# Altium PCB spd150.PcbDoc (part 5 of 15) (continued)
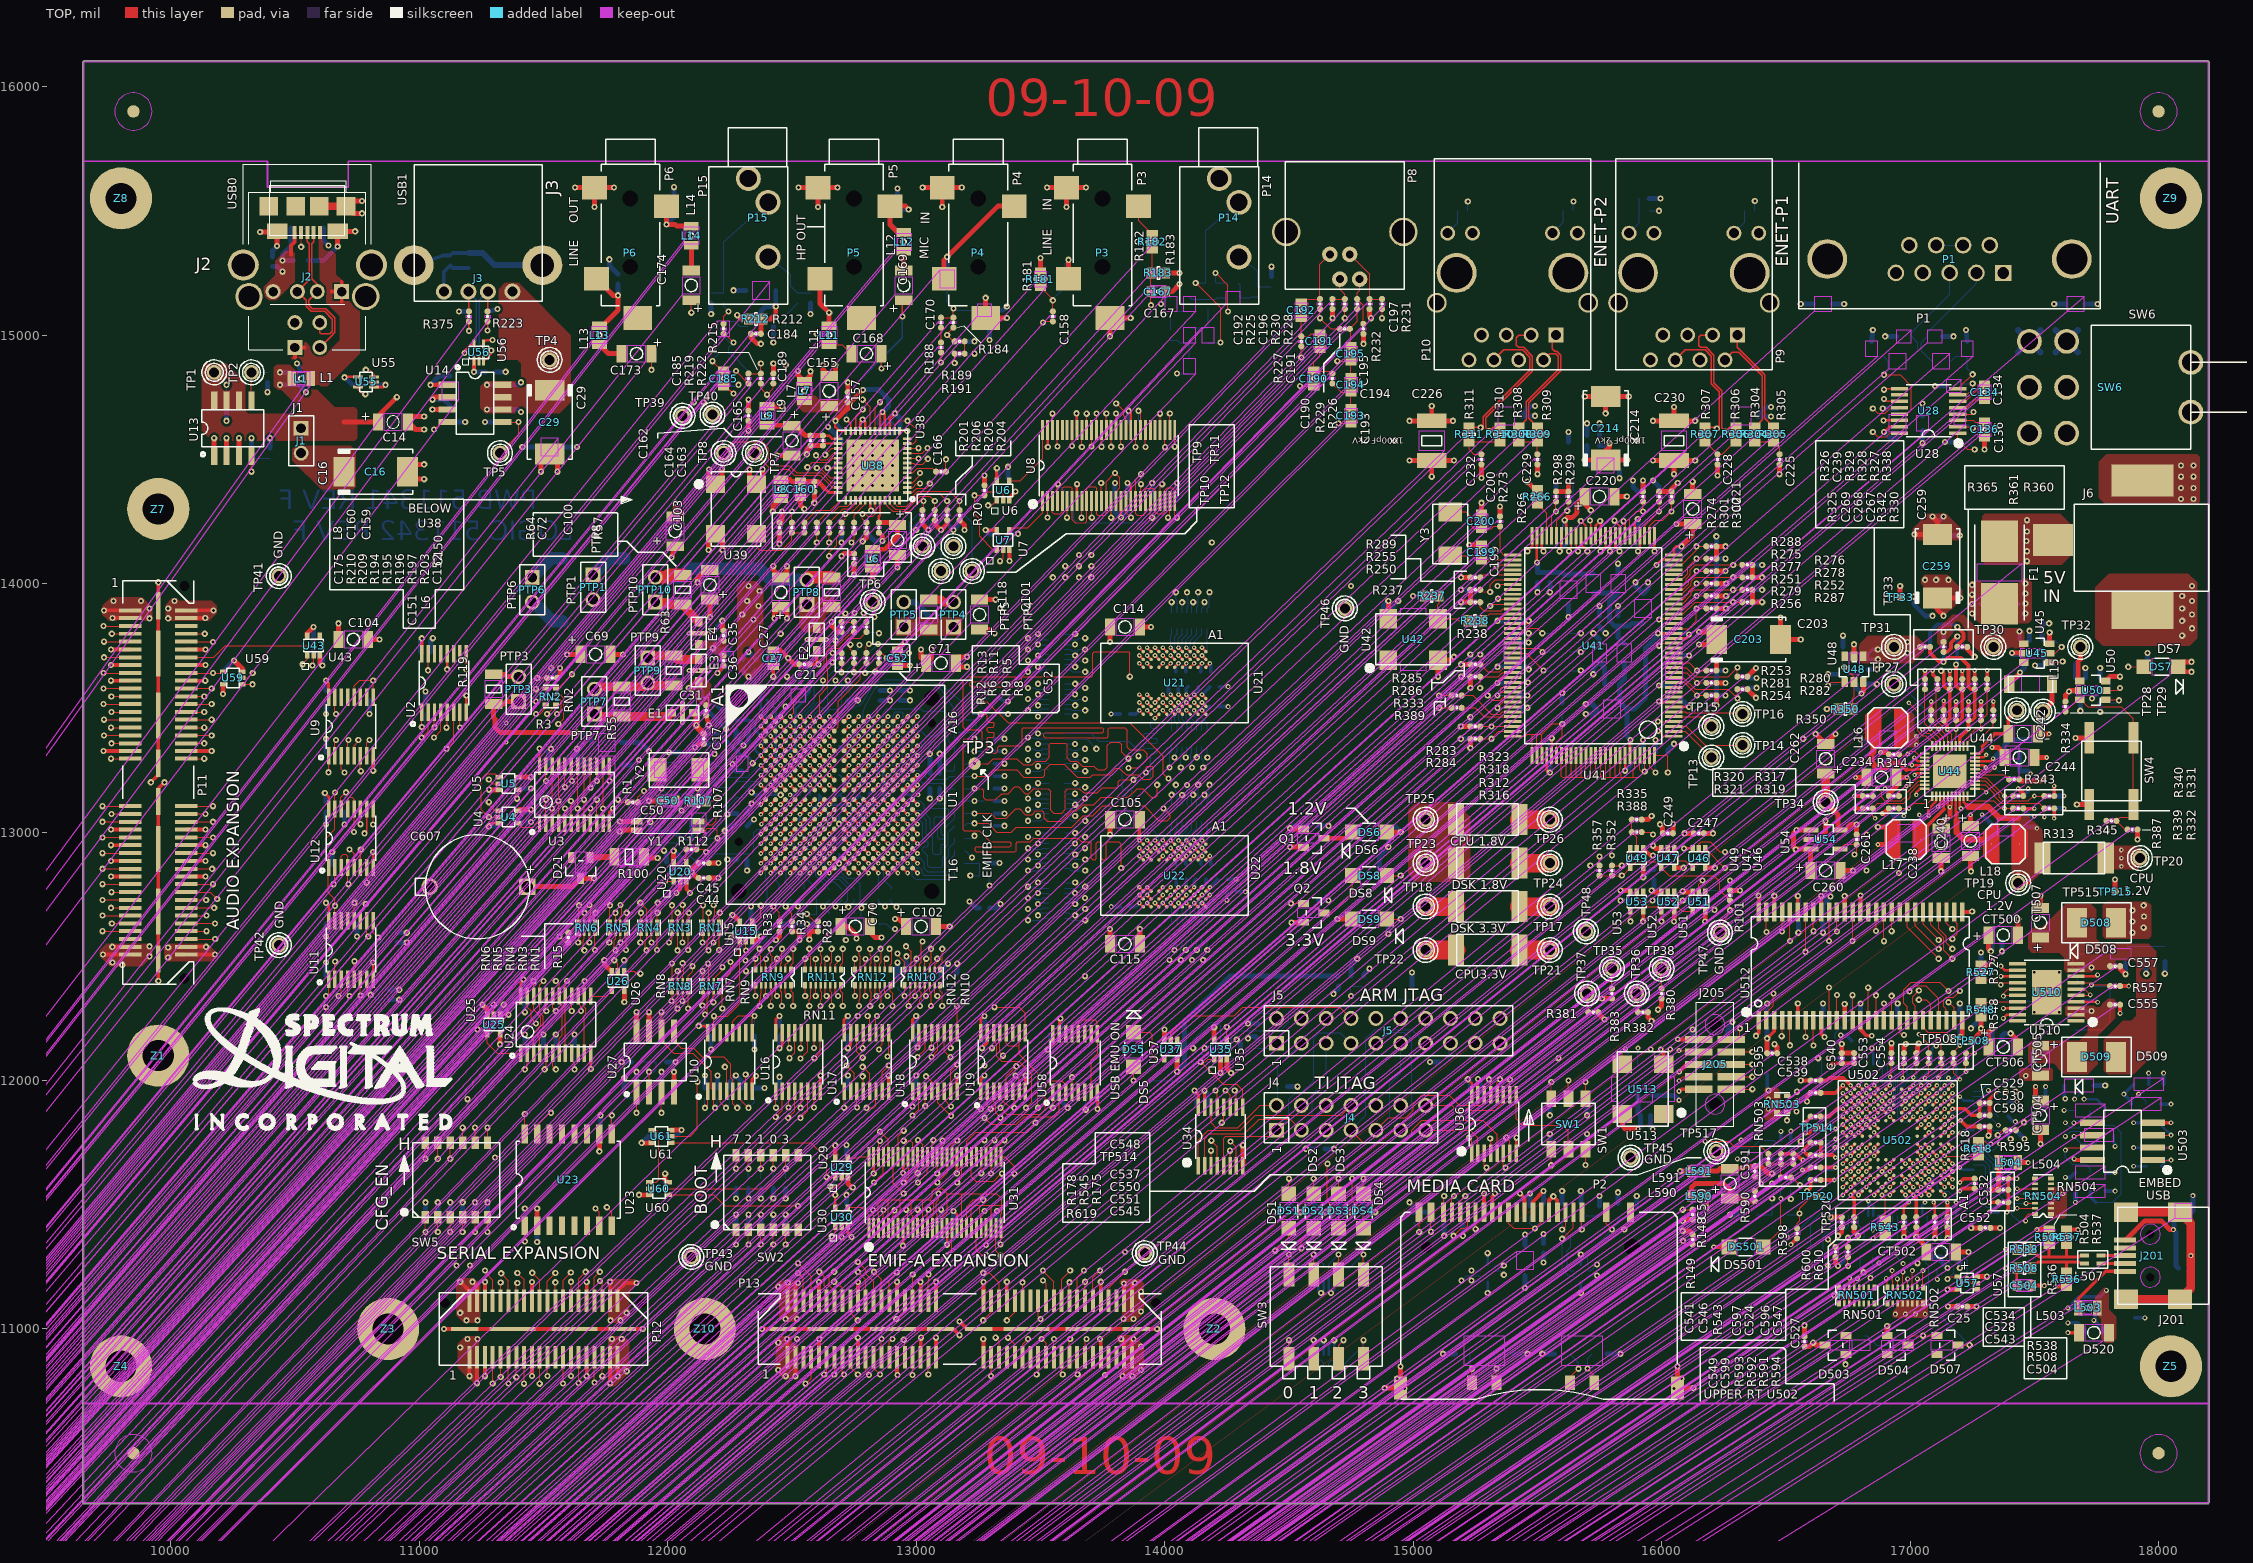
[diagram p0: TOP view]
## Nets (pads, with @x,y where several pads share a name; then routed paths per layer and width w, separated by ;. In a path a pad name is that pad's centre, name@x,y a point inside that pad or via, vN(x,y) a via of type N, cw(c..) or ccw(c..) an arc to the next point about the centre after c; other vN are vias at no path point) (continued)
  TOP w20: v1(10210,13555) U59.5@10211,13594.4 ; U43.5@10549.4,13789 10549.4,13799.4 v1(10575,13825) ; C104.1@10675,13775 v1(10675,13840) ; v1(11325.6,12145.6) U25.5@11325.6,12186 ; U4.5@11399,13085.6 11403.4,13090 v1(11450,13090) ; U5.5@11399,13220.6 v1(11450,13220.6) ; U23.2@11475,11415 v1(11475,11485) ; v1(11825.6,12315.6) U26.5@11825.6,12361 ; U27.8@11875,12196.5 v1(11875,12275) ; v1(11895.6,11749.4) U61.5@11936,11749.4 ; v1(11990,11625) 11990,11600.6 12000,11590.6 U60.5@12004,11590.6 ; U20.5@12024.4,12879 v1(12024.4,12924.4) ; v1(12166.5,14459.5) 12166.5,14426 U39.1@12192.5,14400 12195,14400 12219,14424 v1(12219,14461) ; v1(12260,12666) 12261,12665 12265,12665 12289.4,12640.6 U15.5@12289.4,12639 ; C165.1@12325,14695 v1(12325,14740) ; v1(12329.5,14459.5) 12329.5,14428 U39.4@12357.5,14400 12382,14424.5 v1(12382,14460) ; L9.2@12400,14713 v1(12460,14713) ; v1(12450,14160) C175.1@12450,14205 ; v1(12525,14855) 12525,14838 L7.2@12550,14813 12575,14838 v1(12575,14854) ; v1(12660,13845) 12660,13830 12685,13805 R13.1@12700,13805 ; U29.5@12674.4,11689 v1(12674.4,11739.4) ; v1(12750,14035) C151.1@12750,14080 ; v1(12785,14170) 12800,14185 R203.1@12800,14205 ; v1(12825,14015) L6.1@12825,14062 ; R201.1@13025,14255 13025,14240 v1(13050,14215) ; C115.1@13780.1,12550 v1(13780.1,12610) ; v1(13780.1,12990) C105.1@13780.1,13050 ; v1(13780.1,13765) C114.1@13780.1,13825 ; v1(14050.6,12035.6) U37.5@14050.6,12086 ; U35.5@14199.4,12164 v1(14199.4,12214.4) ; U42.4@14900,13858 v1(14900,13930) ; R273.1@15350,14270 v1(15350,14310) ; v1(16085,11395) 16110,11395 R149.1@16125,11380 ; v1(16085,11435) 16090,11440 R148.1@16125,11440 ; v1(16150,13755) 16202,13755 C203.1@16222,13775 16192,13805 v1(16150,13805) ; R101.1@16275,12765 v1(16315,12765) ; C595.1@16425,12110 v1(16425,12170) ; v1(16680,11450) C541.1@16725,11450 ; R600.2@16700,11290 16700,11264 v1(16710,11254) ; U512.43@16737,12678 v1(16737,12742) ; D504.1@16908,10973 v1(16908,11012) ; v1(17150.6,11159.4) U57.5@17191,11159.4 ; v1(17153,11090) C25.1@17190,11090 ; CT502.1@17185,11310 v1(17235,11310) ; v1(17202,12175) 17209.5,12182.5 U512.27@17209.5,12242 ; v1(17246,11407) C552.1@17283,11407 ; L504.1@17433,11670 v3(17475,11670)
  TOP w75: TP18.1@15050,12700 R312.2@15172.5,12700
  LYR6-PLN w10: 14610,11800 J4.5@14650,11800 ; 14650,11760 J4.5@14650,11800 ; 14650,11840 J4.5@14650,11800 ; 14690,11800 J4.5@14650,11800
  LYR6-PLN w15: 15199,15410 P10.11@15239,15410 ; 15239,15370 P10.11@15239,15410 ; 15239,15450 P10.11@15239,15410 ; 15279,15410 P10.11@15239,15410 ; 15621,15410 P10.9@15661,15410 ; 15661,15370 P10.9@15661,15410 ; 15661,15450 P10.9@15661,15410 ; 15701,15410 P10.9@15661,15410 ; 15929,15410 P9.11@15969,15410 ; 15969,15370 P9.11@15969,15410 ; 15969,15450 P9.11@15969,15410 ; 16009,15410 P9.11@15969,15410 ; 16351,15410 P9.9@16391,15410 ; 16391,15370 P9.9@16391,15410 ; 16391,15450 P9.9@16391,15410 ; 16431,15410 P9.9@16391,15410
  LYR6-PLN w25: 15010,12700 TP18.1@15050,12700 ; 15050,12660 TP18.1@15050,12700 ; 15050,12740 TP18.1@15050,12700 ; 15090,12700 TP18.1@15050,12700
  BOTTOM w10: C2.1@11480,13275 11484.2,13279.2 v1(11484.2,13335.8) ; v1(12674.4,11539.4) 12674.4,11505.6 C138.1@12680,11500 ; RN23.1@14617.6,10895.5 14617.6,10932.6 v1(14640,10955) 14640.2,10954.8 RN23.2@14640.2,10895.5 ; RN23.3@14659.8,10895.5 14659.8,10932.4 v1(14682.4,10955) RN23.4@14682.4,10895.5 ; U33.10@15300,11259 v1(15300,11305) ; U32.10@15675,11259 v1(15675,11300) ; U511.82@16645,11641.8 16691.8,11641.8 v2(16700,11650) ; C602.1@16650,12215 16650,12180 v1(16655,12175) ; v4(16845,12130) 16845,12116.5 16851.5,12110 U511.8@16851.5,12065 ; U511.58@17048.5,11455 17048.5,11498.5 v2(17060,11510) ; U511.20@17087.9,12065 17087.9,12127.9 17100,12140 v4(17105,12140) ; v2(17155,12010) 17175,12010 17186.4,12021.4 U511.25@17186.4,12065 ; v2(17200,11650) 17208.2,11641.8 U511.44@17255,11641.8
  BOTTOM w15: R624.1@13315,13025 v1(13355,13025) ; R630.1@13315,13075 v1(13355,13075) ; R626.1@13315,13125 v1(13355,13125) ; R623.1@13315,13175 v1(13355,13175) ; R621.1@13315,13225 v1(13355,13225) ; R622.1@13315,13275 v1(13355,13275) ; R627.1@13315,13325 v1(13355,13325) ; R628.1@13315,13375 v1(13355,13375) ; R629.1@13335,13490 13355,13475 v1(13370,13475) ; R625.1@13335,13540 13355,13525 v1(13370,13525) ; C109.1@13860.1,12700 13883.5,12700 v2(13898.3,12714.8) ; C120.1@13860.1,13475 13883.5,13475 v2(13898.3,13489.8) ; C116.1@14015.1,13585 14015.1,13562 v2(14024.3,13552.8) ; C119.1@14046.6,12810 14046.6,12787 v2(14055.8,12777.8) ; C113.1@14085.1,12870 14085.1,12901.6 v2(14087.3,12903.8) ; C118.1@14085.1,13645 14085.1,13676.6 v2(14087.3,13678.8) ; v2(14087.3,13552.8) 14087.3,13577.2 C110.1@14095.1,13585 ; v2(14118.8,12777.8) 14120,12779 14120,12803.4 C108.1@14126.6,12810 ; C106.1@14145.1,12870 14145.1,12898.6 v2(14150.3,12903.8) ; C111.1@14145.1,13645 14145.1,13673.6 v2(14150.3,13678.8) ; v2(14150.3,13489.8) 14164.9,13489.8 C117.1@14180.1,13505 ; v2(14150.3,13552.8) 14180.1,13582.6 C121.1@14180.1,13585 ; v2(14181.8,12777.8) 14211.6,12807.6 C107.1@14211.6,12810 ; v3(14250.1,12725) C112.1@14250.1,12760 ; TP513.1@16425,12025 16425,11965 v1(16430,11960) ; v3(16505,11370) R597.2@16505,11405 ; v4(16721.7,12182.7) 16742.3,12182.7 R614.1@16765,12160 ; C600.1@16800,12215 16800,12205 16825,12180 v4(16845,12180) ; R616.1@17395,11855 17415,11835 v3(17424,11835) ; R615.1@17395,11915 v3(17430,11915) ; JP504.1@17620,11980 17620,11931 v4(17625,11926) ; JP501.1@17785,11555 v3(17825,11555) ; JP505.1@17785,11630 v3(17825,11630) ; R550.1@17845,12380 v3(17880,12380) ; v3(17900,11830) JP510.1@17950,11830 ; JP503.1@18010,11905 v3(18050,11905) ; JP502.1@18020,11985 v3(18020,12030)
  BOTTOM w20: v1(10210,13555) C266.1@10210,13600 ; v1(10390,14770) R53.1@10390,14810 ; R54.1@10400,14545 v1(10400,14585) ; C233.1@10575,13770 v1(10575,13825) ; R59.1@10615,15430 10615,15380 v1(10635,15360) ; R37.1@10880,12325 v1(10920,12325) ; R35.1@10910,12555 v1(10950,12555) ; R376.1@11025,11470 v1(11025,11510) ; R377.1@11075,11470 v1(11075,11510) ; R378.1@11125,11470 v1(11125,11510) ; R379.1@11175,11470 v1(11175,11510) ; R385.1@11225,11470 v1(11225,11510) ; v1(11265,14650) R61.1@11305,14650 ; R386.1@11275,11470 v1(11275,11510) ; C124.1@11325,12205 11325.6,12204.4 v1(11325.6,12145.6) ; C3.1@11410,13080 11440,13080 v1(11450,13090) ; C4.1@11410,13215 11415.6,13220.6 v1(11450,13220.6) ; v1(11420,12407) 11420,12405 11425,12400 C123.1@11425,12370 ; R131.1@11425,11445 v1(11425,11485) ; R133.2@11425,12145 v1(11425,12185) ; C122.1@11475,11445 v1(11475,11485) ; R134.2@11500,12145 v1(11500,12185) ; v1(11530,13660) 11530,13655 11555,13630 R2.1@11555,13620 ; R135.2@11550,12145 v1(11550,12185) ; R136.2@11625,12145 v1(11625,12185) ; R132.1@11730,11800 v1(11730,11860) ; C125.1@11825,12380 11825.6,12379.4 v1(11825.6,12315.6) ; R138.1@11875,11970 v1(11875,12035) ; v1(11875,12275) 11875,12230 C126.2@11880,12225 ; v1(11895.6,11749.4) 11921.2,11775 C274.1@11955,11775 ; R140.1@11975,11970 v1(11975,12035) ; C273.1@11990,11565 v1(11990,11625) ; R139.1@11995,12075 v1(12032,12075) ; v1(12024.4,12924.4) 12050,12898.8 C51.1@12050,12860 ; R42.1@12200,11970 v1(12200,12020) ; R43.1@12250,11970 12250,11995 12274.2,12019.2 v1(12274.2,12020) 12300,11994.2 R40.1@12300,11970 ; v1(12260,12666) 12263,12666 12284,12645 C39.1@12295,12645 ; R121.1@12275,11420 v1(12275,11460) ; R122.1@12325,11420 v1(12325,11460) ; R41.1@12350,11970 v1(12390,11970) ; R123.1@12375,11420 v1(12375,11460) ; R125.1@12425,11420 v1(12425,11460) ; R25.1@12450,12630 R26.1@12500,12630 v1(12560,12630) R24.1@12600,12630 ; R126.2@12475,11420 v1(12475,11460) ; v1(12650,12590) R65.1@12650,12630 ; v1(12674.4,11739.4) 12674.4,11705.6 C137.1@12680,11700 ; v1(13050,14215) 13050,14225 13075,14250 R200.1@13075,14255 ; C139.1@13100,11380 13100,11363.4 v1(13124.2,11339.2) 13150,11365 C140.1@13150,11380 ; R199.1@13125,14255 13125,14240 v1(13150,14215) 13175,14240 R198.1@13175,14255 ; v1(13280,14215) 13295,14200 C5.1@13330,14200 ; v1(13324.4,14464.4) 13330,14458.8 C6.1@13330,14425 ; C7.1@13800,14305 13800,14290 v1(13824.2,14265.8) 13850,14291.6 C8.1@13850,14305 ; v1(14050.6,12035.6) 14080,12065 14080,12237.6 14262.4,12420 C148.1@14700,12420 ; v1(14120,11960) 14130,11950 C143.1@14130,11900 ; v1(14199.4,12214.4) 14199.4,12170.6 C145.1@14200,12170 ; v1(14335,12170) 14338.5,12170 14344.7,12176.2 14365.4,12176.2 14371.6,12170 R177.2@14375,12170 ; v1(14335,12230) R176.2@14375,12230 ; R144.1@14500,11505 14535,11470 v1(14547.5,11470) ; R145.1@14600,11505 14635,11470 v1(14647.5,11470) ; C146.1@14645,11725 v1(14682,11725) ; R146.1@14700,11505 14735,11470 v1(14747.5,11470) ; R174.2@14750,12420 14750,12465 v1(14775,12490) ; R147.1@14800,11505 14835,11470 v1(14847.5,11470) ; C198.1@14880,13875 14880,13910 v1(14900,13930) ; v1(14985,11510) 15000,11495 R168.2@15000,11470 R167.2@15050,11470 ; R173.1@14995,12375 v1(14995,12435) ; v1(15068,12075) R179.2@15105,12075 ; v1(15120,10900) R163.1@15170,10900 ; v1(15125,11375) R158.1@15125,11420 ; v1(15192,13375) R268.1@15230,13375 ; v1(15193,13625) R270.1@15230,13625 ; v1(15193,13975) R248.1@15230,13975 ; v1(15200,11375) R159.1@15200,11420 ; v1(15220,12005) 15230,11995 C147.1@15230,11950 ; R267.1@15230,13425 v1(15230,13462) ; R269.1@15230,13675 v1(15230,13715) ; R162.1@15405,10900 v1(15460,10900) ; R236.1@15420,13500 v1(15460.5,13500) ; C141.1@15450,11335 v1(15450,11380) ; v1(15520,10900) R161.1@15570,10900 ; C142.2@15525,11345 v1(15525,11382) ; R156.1@15525,11505 v1(15525,11555) ; R110.1@15550,11745 v1(15550,11785) ; v1(15550,11860) R111.1@15550,11905 ; R294.1@15575,14370 v1(15575,14410) ; R157.1@15600,11505 v1(15600,11555) ; R292.2@15600,13520 v1(15600,13560) ; R295.1@15625,14570 v1(15625,14610) ; R155.1@15675,11505 v1(15675,11555) ; v1(15725,13800) 15750,13775 L19.1@15750,13758 ; C207.1@15750,13830 15750,13825 v1(15775,13800) ; R160.1@15780,10900 v1(15835,10900) ; L21.1@15813,14475 15830,14458 v1(15830,14424) ; R154.1@15825,11505 v1(15825,11550) ; v1(15885,14415) 15885,14390 15905,14370 R257.1@15925,14370 ; L592.2@15965,11940 16050,11940 v4(16070,11920) ; v1(15965,14415) 15990,14390 R297.1@15990,14370 R296.1@16040,14370 ; R514.1@16125,12155 v1(16125,12205) ; v1(16220,13860) R249.1@16220,13900 R262.1@16220,13950 R244.1@16220,14000 R260.1@16220,14050 R258.1@16220,14100 ; v1(16220,14190) R272.1@16220,14150 R258.1@16220,14100 ; v1(16257,13550) R247.1@16220,13550 R264.1@16220,13600 R246.1@16220,13650 v1(16257,13650) ; v1(16257,14100) R258.1@16220,14100 ; v1(16275,11460) R172.1@16320,11460 ; R265.1@16345,13575 16350.6,13580.6 v1(16381.6,13580.6) ; R263.1@16345,13625 16350,13620 16379.7,13620 16380,13619.7 v1(16381.7,13619.7) ; R271.1@16365,13925 R245.1@16365,13975 v1(16405,13975) ; R261.1@16365,14025 R259.1@16365,14075 v1(16405,14075) ; v1(16425,12170) C603.1@16425,12215 ; v1(16548,12743) 16550,12741 C605.1@16550,12705 ; C604.1@16650,12680 16650,12710 v1(16680,12740) ; v1(16710,11254) 16746,11290 R601.2@16750,11290 ; v1(16895,14610) 16920,14585 C128.1@16950,14585 ; R613.2@16950,12255 v1(16950,12310) ; v1(17050,14565) C127.1@17050,14615 ; R602.2@17175,11290 17200,11265 v1(17200,11245) ; C601.1@17200,12215 17200,12177 v1(17202,12175) ; R355.1@17765,13620 v1(17765,13660) ; v1(18025,12430) R554.1@18025,12480
  other v3: 16941,11060 16981,11060 17021,11060 17061,11060 17615,11545 16430,11885 16430,11925
DSK_3V3_SYS_OKAY: R353.1 R360.1 R362.1 TP32.1 U49.1 U50.1 | length 3091.6
  TOP w15: U49.1@15925.6,12934 15926,12934 15955,12905 v1(15965,12905)
  TOP w20: R360.1@17230,13745 17230,13735 v1(17260,13705) ; U50.1@17683,13607.4 17675,13615.4 17675,13685 17685,13695 TP32.1@17685,13745
  LYR3-SIG w20: v1(15965,12905) 16190,12905 16250,12965 16290,12965 16375,12880 16875,12880 16920,12835 v1(16955,12835)
  LYR4-SIG w20: v1(16955,12835) 17025,12835 17100,12910 17100,13081.3 17088.3,13093 17088.3,13113.4 17260,13285.1 17260,13602 17235,13627 17235,13680 v1(17260,13705) 17260,13755 17310,13805 17380,13805 17410,13775 17655,13775 TP32.1@17685,13745
  BOTTOM w20: R362.1@17230,13745 17230,13735 v1(17260,13705) ; R353.1@17665,13620 17665,13675 17685,13695 TP32.1@17685,13745
DSP_EMU0: SW1.5 U1.J5 U36.4 | length 4153.3
  TOP w5: v1(15310,11767) 15312.2,11764.8 U36.4@15312.2,11707.4 ; SW1.5@15625,11927 v1(15625,12000)
  TOP w10: v2(12532.5,13110.6) U1.J5@12552.2,13130.3
  LYR3-SIG w5: v1(15310,11767) 15408,11865 15490,11865 v1(15625,12000)
  LYR4-SIG w4: v2(12532.5,13110.6) 12515,13093.1 12515,12865 12525,12855 13025,12855
  LYR4-SIG w5: 13025,12855 13095,12855 13175,12775 13175,12730 13220,12685 13260,12685 14075,11870 14265,11870 14430,11705 15248,11705 v1(15310,11767)
DSP_EMU1: SW1.2 U36.9 | length 400.5
  TOP w5: U36.9@15414.6,11942.6 15414.6,11845.4 15440,11820 15600,11820 15625,11795 SW1.2@15625,11723
DSP_RTCK: R112.1 U36.12 | length 4244.9
  TOP w5: R112.1@12115,12930 12145,12930 v1(12155,12920) ; U36.12@15337.8,11942.6 15337.8,11992.8 v1(15350,12005)
  LYR4-SIG w5: v1(12155,12920) 12155,12890 12205,12840 12285,12840 12395,12730 12919,12730 13009,12640 13145,12640 13365,12420 13365,12385 14110,11640 15245,11640 15280,11675 15330,11675 15395,11740 15395,11960 v1(15350,12005)
DSP_TCK: R107.1 R171.1 U1.H3 | length 2885.9
  TOP w5: R107.1@12155,13125 12185,13125 v1(12200,13140)
  TOP w10: v2(12453.7,13189.4) U1.H3@12473.4,13169.7
  LYR4-SIG w4: 12350,13180 12360,13170 12420,13170 12439.4,13189.4 v2(12453.7,13189.4) 12453.7,13181.3 12475,13160 12475,13140 12485,13130 12535.1,13130 12550,13115.1 12550,12905 12560,12895 13025,12895
  LYR4-SIG w5: v1(12200,13140) 12275,13140 12320,13185 12345,13185 12350,13180 ; 13025,12895 13085,12895 13850,12130 v1(14115,12130)
  BOTTOM w5: v1(14115,12130) 14115,12165 14185,12235 14210,12235 14225,12220 14225,12155 R171.1@14250,12130
DSP_TDI: U1.J2 U34.4 | length 2693.3
  TOP w5: v1(14188,11758) 14188,11757 14212.2,11732.8 U34.4@14212.2,11657.4
  TOP w10: v2(12414.3,13110.6) U1.J2@12434,13130.3
  LYR4-SIG w4: 12405.2,12815 12395,12825.2 12395,13091.3 v2(12414.3,13110.6)
  LYR4-SIG w5: 12405.2,12815 12455.2,12765 12929.7,12765 13014.7,12680 13155,12680 13555,12280 13555,12235 14032,11758 v1(14188,11758)
DSP_TDO: U1.J3 U36.7 | length 3868
  TOP w5: v1(15375,11770) 15389,11756 U36.7@15389,11707.4
  TOP w10: v2(12453.7,13110.6) U1.J3@12473.4,13130.3
  LYR4-SIG w4: 12440,12815 12435,12820 12435,13091.9 v2(12453.7,13110.6)
  LYR4-SIG w5: 12440,12815 12470,12785 12934.7,12785 13024.7,12695 13165,12695 13225,12635 13255,12635 13835,12055 13835,12000 14049.2,11785.8 14309.2,11785.8 14405,11690 15295,11690 v1(15375,11770)
DSP_TMS: U1.J1 U34.7 | length 2840.3
  TOP w5: v1(14265,11755) 14289,11731 U34.7@14289,11657.4
  TOP w10: v2(12374.9,13110.6) U1.J1@12394.6,13130.3
  LYR4-SIG w4: 12350,12837.7 12372.7,12815 ; 12350,13085.7 v2(12374.9,13110.6)
  LYR4-SIG w5: 12350,12837.7 12350,13005 12325,13030 12325,13060.7 12350,13085.7 ; 12372.7,12815 12442.7,12745 12930,12745 13015,12660 13150,12660 13450,12360 13450,12320 14032,11738 14248,11738 v1(14265,11755)
DSP_TRST#: U1.J4 U34.12 | length 2553.9
  TOP w5: v1(14230,11830) 14237.8,11837.8 U34.12@14237.8,11892.6
  TOP w10: v2(12493.1,13110.6) U1.J4@12512.8,13130.3
  LYR4-SIG w4: 12475,12825 12475,13092.5 v2(12493.1,13110.6)
  LYR4-SIG w5: 12475,12825 12495,12805 12939.7,12805 13037,12707.7 13177.3,12707.7 13225,12660 13260,12660 14090,11830 v1(14230,11830)
DVDD: C78.2 C79.2 C80.2 C81.2 C82.2 C83.2 C84.2 C85.2 C86.2 C87.2 C88.2 C89.2 C90.2 C91.2 C92.2 C93.2 C94.2 C95.2 C96.2 C97.2 C98.2 C99.2 C100.1 C101.1 C102.1 C103.1 PTP1.1 R115.1 U1.B16 U1.E5 U1.E8 U1.E9 U1.E12 U1.F5 U1.F11 U1.F12 U1.G5 U1.G12 U1.K5 U1.K12 U1.L5 U1.L11 U1.L12 U1.M5 U1.M8 U1.M9 U1.M12 U1.R1 U1.R16 | length 2109.6
  TOP w10: v2(12374.9,12874.2) U1.R1@12394.6,12893.9 ; v2(12532.5,12992.4) U1.M5@12552.2,13012.1 ; v2(12532.5,13031.8) U1.L5@12552.2,13051.5 ; v2(12532.5,13071.2) U1.K5@12552.2,13090.9 ; v2(12532.5,13228.8) U1.G5@12552.2,13209.1 ; v2(12532.5,13268.2) U1.F5@12552.2,13248.5 ; v2(12532.5,13307.6) U1.E5@12552.2,13287.9 ; v2(12650.7,12992.4) U1.M8@12670.4,13012.1 ; v2(12650.7,13307.6) U1.E8@12670.4,13287.9 ; U1.M9@12709.8,13012.1 v2(12729.5,12992.4) ; U1.E9@12709.8,13287.9 v2(12729.5,13307.6) ; U1.L11@12788.6,13051.5 v2(12808.3,13031.8) ; U1.F11@12788.6,13248.5 v2(12808.3,13268.2) ; U1.M12@12828,13012.1 v2(12847.7,12992.4) ; U1.L12@12828,13051.5 v2(12847.7,13031.8) ; U1.K12@12828,13090.9 v2(12847.7,13071.2) ; U1.G12@12828,13209.1 v2(12847.7,13228.8) ; U1.F12@12828,13248.5 v2(12847.7,13268.2) ; U1.E12@12828,13287.9 v2(12847.7,13307.6) ; U1.R16@12985.6,12893.9 v2(13005.3,12874.2) ; U1.B16@12985.6,13406.1 13002.3,13422.8 v2(13002.3,13425.8)
  TOP w20: v1(12015,14105) C103.1@12030,14150 ; v1(12430,13860) 12430,13880 C100.1@12455,13905 12480,13880 v1(12480,13860) ; v1(12915,12650) 12930,12650 C102.1@12960,12620 ; C101.1@13255,13815 13300,13815 v1(13315,13800)
  LYR9-PLN w25: 11660,14035 PTP1.1@11700,14035 ; 11700,13995 PTP1.1@11700,14035 ; 11700,14075 PTP1.1@11700,14035 ; 11740,14035 PTP1.1@11700,14035
  BOTTOM w10: C88.2@12415,13150 v1(12455,13150) ; v2(12532.5,13071.2) v2(12532.5,13031.8) 12552,13012.3 C96.2@12552,13012 12552,13011.9 v2(12532.5,12992.4) 12551.9,12973 C89.2@12552,12973 ; v2(12532.5,13268.2) 12532.5,13268.5 C97.2@12552,13288 ; v2(12532.5,13307.6) 12532.6,13307.6 C90.2@12552,13327 ; C86.2@12670,13012 12670,13011.7 v2(12650.7,12992.4) 12650.7,12989.3 C98.2@12690,12950 12729.5,12989.5 v2(12729.5,12992.4) 12710,13011.9 C83.2@12710,13012 ; C92.2@12690,13345 12692.1,13345 v2(12729.5,13307.6) ; v2(12808.3,13268.2) 12809.2,13268.2 C85.2@12829,13288 ; C91.2@12828,13328 12828,13327.3 v2(12847.7,13307.6) 12829,13288.9 C85.2@12829,13288 ; v2(12847.7,13228.8) v2(12847.7,13268.2) 12829,13286.9 C85.2@12829,13288
  BOTTOM w20: v1(12320,12845) C81.2@12320,12890 ; C94.2@12320,13025 12345,13050 v1(12348,13050) ; C99.2@12725,13530 v1(12765,13530) ; C79.2@12855,13530 v1(12895,13530) ; C78.2@12935,13530 v1(12975,13530) ; C84.2@13055,13235 C82.2@13055,13275 v1(13055,13315) ; v1(13215,12720) 13240,12695 C93.2@13255,12695
  BOTTOM w50: PTP1.1@11700,14035 11767.5,14102.5 R115.1@11825,14102.5
DX0: JP507.1 RN502.14 U502.E7 | length 1617.4
  TOP w5: v3(16948.9,11202.1) 16950.6,11200.4 RN502.14@16950.6,11167
  TOP w10: U502.E7@16965.8,11681.2 v2(16981.5,11665.4)
  LYR3-SIG w4: v2(16981.5,11665.4) 16991,11665.4 17038.5,11712.9 17252.9,11712.9 17255,11715
  LYR3-SIG w5: 17255,11715 17385,11715 17430,11760 17430,11770 17507.5,11847.5 17637.5,11847.5 17700,11910 v3(17700,11925)
  LYR4-SIG w4: 16877.5,11455 16877.5,11467.5 16935,11525 16935,11618.9 v2(16981.5,11665.4)
  LYR4-SIG w5: 16877.5,11455 16877.5,11352.5 16855,11330 16855,11225 16893.5,11186.5 16933.3,11186.5 v3(16948.9,11202.1)
  BOTTOM w10: v3(17700,11925) 17750,11925 17785,11890 JP507.1@17785,11880
ECLKIN: R543.2 RN504.16 U511.47 | length 1066.4
  TOP w5: v3(16852,11365) 16867,11380 R543.2@16900,11380 ; v3(17465,11435) 17465,11450 17478.4,11463.4 RN504.16@17503,11463.4
  LYR3-SIG w5: v3(16852,11365) 16885,11398 17195,11398 17208,11385 17415,11385 v3(17465,11435)
  BOTTOM w5: U511.47@17255,11582.7 17292.8,11582.7 17300.5,11575 17300.5,11551.9 17311.9,11540.5 17357.1,11540.5 17410,11487.6 17410,11460 17435,11435 v3(17465,11435)
EMIFA_A0: P13.55 RN9.11 | length 2680.9
  TOP w5: v1(12395.6,12340.6) RN9.11@12395.6,12383 ; v1(13485,10817) 13491,10823 P13.55@13491,10887
  LYR8-SIG w5: v1(12395.6,12340.6) 12395,12340 12395,12272.5 12505.5,12162 13157.2,12162 13235,12084.2 13235,12030 13360,11905 13360,11793.3 13335,11768.3 13335,11751.7 13365,11721.7 13365,11616.7 13293.3,11545 13266.7,11545 13250,11528.3 13250,10920 13353,10817 v1(13485,10817)
EMIFA_A1: RN9.12 U31.21 | length 1890.2
  TOP w5: v1(12415,12299.9) 12415.2,12325.2 12420,12330 12420,12355.2 12415.2,12360 RN9.12@12415.2,12383 ; U31.21@13202.9,11407 13202.9,11492.9 13230,11520 v1(13270,11520)
  LYR8-SIG w5: v1(12415,12299.9) 12415,12266.7 12508.7,12173 13163,12173 13241,12095 13275,12095 13375,11995 13375,11600 13295,11520 v1(13270,11520)
EMIFA_A2: RN9.13 U31.23 | length 2070.3
  TOP w5: RN9.13@12434.8,12383 12434.8,12345.2 v1(12440,12340) ; U31.23@13242.3,11407 13242.3,11317.7 13263,11297 v1(13282,11297)
  LYR8-SIG w5: v1(12440,12340) 12440,12291.7 12451.7,12280 12458.3,12280 12553.3,12185 13175,12185 13252.5,12107.5 13282.5,12107.5 13415,11975 13415,11465 13320,11370 13320,11335 v1(13282,11297)
EMIFA_A3: P13.62 RN9.14 | length 2948.3
  TOP w5: RN9.14@12454.4,12383 12454.4,12360 12460,12354.4 v1(12460,12300) ; P13.62@13585,11113 13585,11200 v1(13620,11235)
  LYR8-SIG w5: v1(12460,12300) 12460,12343.3 12556.7,12440 13360,12440 13805,11995 13805,11185 13765,11145 13631.7,11145 13597,11179.7 13597,11212 v1(13620,11235)
EMIFA_A4: P13.59 RN9.15 | length 2361
  TOP w5: RN9.15@12474,12383 12474,12351 v1(12485,12340) ; P13.59@13554,10887 13554,10959 v1(13555,10960)
  LYR8-SIG w5: v1(12485,12340) 12485,12291.7 12576.7,12200 13288.3,12200 13520,11968.3 13520,11877.5 13530,11867.5 13530,10985 v1(13555,10960)
EMIFA_A5: P13.64 RN9.16 | length 2691.3
  TOP w5: RN9.16@12496.6,12383 12496.6,12360 12505,12351.6 v1(12505,12300) ; P13.64@13617,11113 v1(13617,11188)
  LYR8-SIG w5: v1(12505,12300) 12505,12319.9 12610.1,12425 13355,12425 13790,11990 13790,11190 13755,11155 13650,11155 v1(13617,11188)
EMIFA_A6: P13.61 RN11.9 | length 2457.3
  TOP w5: v1(12553.4,12340) RN11.9@12553.4,12383 ; P13.61@13585,10887 13585,10822 v1(13590,10817)
  LYR8-SIG w5: v1(12553.4,12340) 12550,12336.6 12550,12291.7 12629.7,12212 13290.5,12212 13530,11972.5 13530,11881.7 13545,11866.7 13545,11020 13590,10975 v1(13590,10817)
EMIFA_A7: P13.66 RN11.10 | length 2651.1
  TOP w5: v1(12570,12300) 12570,12324.9 12575.6,12330.5 12575.6,12348.9 12576,12349.3 RN11.10@12576,12383 ; P13.66@13648,11113 13648,11208 v1(13675,11235)
  LYR8-SIG w5: v1(12570,12300) 12575,12305 12575,12348.3 12636.7,12410 13350,12410 13775,11985 13775,11193.7 13751.3,11170 13671.7,11170 13660,11181.7 13660,11220 v1(13675,11235)
EMIFA_A8: P13.63 RN11.11 | length 2299.4
  TOP w5: v1(12595.6,12340.6) RN11.11@12595.6,12383 ; P13.63@13617,10887 13617,10957 v1(13620,10960)
  LYR8-SIG w5: v1(12595.6,12340.6) 12595,12340 12595,12291.6 12661.6,12225 13291.7,12225 13558,11958.7 13558,11910.3 13570,11898.3 13570,11881.7 13560,11871.7 13560,11020 v1(13620,10960)
EMIFA_A9: P13.68 RN11.12 | length 2395.5
  TOP w5: v1(12615,12299.9) 12615.2,12325.2 12620,12330 12620,12355.2 12615.2,12360 RN11.12@12615.2,12383 ; P13.68@13680,11113 v1(13680,11190)
  LYR8-SIG w5: v1(12615,12299.9) 12620,12304.9 12620,12348.3 12666.7,12395 13347.1,12395 13760,11982.1 13760,11226.7 13743.3,11210 13700,11210 v1(13680,11190)
EMIFA_A10: P13.65 RN11.13 | length 2412.5
  TOP w5: RN11.13@12634.8,12383 12634.8,12345.2 v1(12640,12340) ; P13.65@13648,10887 13648,10819 v1(13650,10817)
  LYR8-SIG w5: v1(12640,12340) 12640,12291.7 12691.7,12240 13290.9,12240 13570,11960.9 13570,11912.5 13580,11902.5 13580,11877.5 13575,11872.5 13575,11128 13650,11053 v1(13650,10817)
EMIFA_A11: P13.70 RN11.14 | length 2278.2
  TOP w5: RN11.14@12654.4,12383 12654.4,12360 12660,12354.4 v1(12660,12300) ; P13.70@13711,11113 13711,11206 v1(13740,11235)
  LYR8-SIG w5: v1(12660,12300) 12660,12343.3 12696.7,12380 13342.9,12380 13740,11982.9 13740,11907.5 13749.6,11897.9 13749.6,11876.7 13740,11867.1 v1(13740,11235)
EMIFA_A12: P13.67 RN11.15 | length 2251.7
  TOP w5: RN11.15@12674,12383 12674,12351 v1(12685,12340) ; P13.67@13680,10887 13680,10955 v1(13685,10960)
  LYR8-SIG w5: v1(12685,12340) 12705.6,12360.6 13202.7,12360.6 13590,11973.3 13590,11873.3 13587,11870.3 13587,11168 13685,11070 v1(13685,10960)
EMIFA_BA0: P13.56 RN9.9 | length 2716.9
  TOP w5: v1(12353.4,12340) RN9.9@12353.4,12383 ; P13.56@13491,11113 13491,11049 v1(13500,11040)
  LYR4-SIG w5: v1(12353.4,12340) 12360,12340 12395,12305 12395,12200 12425,12170 12425,11930 12413,11918 12413,11812 12445,11780 12445,11300 12425,11280 12425,11161.7 12468.5,11118.2 12582.8,11118.2 12911,10790 12990,10790 13015,10815 13015,10860 13045,10890 13350,10890 v1(13500,11040)
EMIFA_BA1: P13.58 RN9.10 | length 3061.5
  TOP w5: v1(12370,12300) 12370,12324.9 12375.6,12330.5 12375.6,12348.9 12376,12349.3 RN9.10@12376,12383 ; v1(13510,11195) 13523,11182 P13.58@13523,11113
  LYR4-SIG w5: v1(12370,12300) 12370,12205 12415,12160 12415,11945 12403,11933 12403,11162 12470,11095 12570,11095 12835,10830 12835,10805 12865,10775 13005,10775 13029,10799 13029,10839.8 13049.2,10860 13505,10860 13575,10930 13575,11130 v1(13510,11195)
EMIFA_CLK: R78.2 U19.7 | length 1048.2
  TOP w5: v1(13400,12020) 13414,12006 U19.7@13414,11957.4
  LYR4-SIG w5: v1(12915,12610) 12940,12585 13095,12585 13430,12250 13430,12050 v1(13400,12020)
  BOTTOM w5: R78.2@12850,12630 12880,12630 12900,12610 v1(12915,12610)
EMIFA_CS0N: R69.2 U19.9 | length 1151.6
  TOP w5: v1(13315,12295) 13415,12295 13439.6,12270.4 U19.9@13439.6,12192.6
  LYR4-SIG w5: v1(12727,12699) 12727,12587 12740,12574 12740,12541.7 12727,12528.7 12727,12473 12765,12435 13175,12435 v1(13315,12295)
  BOTTOM w5: v1(12727,12699) 12750,12722 R69.2@12750,12730
EMIFA_CS2N: P13.49 U15.4 | length 2717.7
  TOP w5: U15.4@12340.6,12639 12359,12639 12375,12655 v1(12375,12703) ; v1(13370,10965) 13397,10938 P13.49@13397,10887
  LYR4-SIG w5: v1(12375,12703) 12392,12720 12485,12720 12505,12700 12505,12560 12530,12535 12530,12485 12625,12390 13120,12390 13195,12315 13195,11310.7 13259.7,11246 13278.3,11246 13320,11204.3 13320,11015 v1(13370,10965)
EMIFA_CS3N: R75.2 U58.4 | length 1609.1
  TOP w5: U58.4@13627.2,11952.4 v1(13627.2,12012.8)
  LYR3-SIG w5: v1(13275,12060) 13360,11975 13515,11975 13552.8,12012.8 v1(13627.2,12012.8)
  LYR4-SIG w5: v1(12675,12700) 12675,12560 12685,12550 12685,12518.3 12705,12498.3 12705,12470 12755,12420 13125,12420 13240,12305 13240,12095 v1(13275,12060)
  BOTTOM w5: v1(12675,12700) 12700,12725 R75.2@12700,12730
EMIFA_CS4N: R76.2 U31.25 | length 2638.4
  TOP w5: v1(13281.6,11338.4) U31.25@13281.6,11407
  LYR3-SIG w5: v1(13281.6,11338.4) 13305,11315 13835,11315 v1(13840,11310)
  LYR8-SIG w5: v1(13235,12985) 13286,12985 13370,12901 13370,12545 13820,12095 13820,11330 v1(13840,11310)
  BOTTOM w5: R76.2@13195,12975 13225,12975 v1(13235,12985)
EMIFA_CS5N: R77.2 U31.27 | length 2157.9
  TOP w5: U31.27@13321,11407 13320,11406 13320,11315 v1(13340,11295)
  LYR4-SIG w5: v1(12780,12695) 12780,12548.3 12790,12538.3 12790,12523.5 12820,12493.5 12820,12464.9 12839.9,12445 13205,12445 13375,12275 13375,12030 13237.5,11892.5 13237.5,11597.5 13300,11535 13300,11375 13310,11365 13310,11325 v1(13340,11295)
  BOTTOM w5: R77.2@12750,12630 12780,12660 v1(12780,12695)
EMIFA_D0: R67.2 R68.2 RN10.1 U31.2 | length 1120.7
  TOP w5: v1(12826,11479) 12826,11460 12829,11457 U31.2@12829,11407 ; v1(12953.4,12340) RN10.1@12953.4,12383
  LYR4-SIG w5: v1(12826,11479) 12826,11556 12885,11615 12885,11910 12915,11940 12915,12265 12930,12280 12930,12316.6 v1(12953.4,12340)
  BOTTOM w5: R67.2@12925,12375 12925,12368.4 v1(12953.4,12340) 12975,12361.6 R68.2@12975,12375
EMIFA_D1: RN10.2 U31.4 | length 1020.6
  TOP w5: U31.4@12868.4,11407 v1(12868.4,11478.4) ; v1(12970,12300) 12970,12324.9 12975.6,12330.5 12975.6,12348.9 12976,12349.3 RN10.2@12976,12383
  LYR4-SIG w5: v1(12868.4,11478.4) 12900,11510 12900,11890 12925,11915 12925,12255 v1(12970,12300)
EMIFA_D2: RN10.3 U31.6 | length 1012.4
  TOP w5: U31.6@12907.7,11407 12907.7,11472.7 v1(12912.7,11477.7) ; v1(12995.6,12340.6) RN10.3@12995.6,12383
  LYR4-SIG w5: v1(12912.7,11477.7) 12912.7,11847.7 12935,11870 12935,12235 12995,12295 12995,12340 v1(12995.6,12340.6)
EMIFA_D3: RN10.4 U31.9 | length 1042.9
  TOP w5: v1(12960,11480) 12966.8,11473.2 U31.9@12966.8,11407 ; v1(13015,12299.9) 13015.2,12325.2 13020,12330 13020,12355.2 13015.2,12360 RN10.4@13015.2,12383
  LYR4-SIG w5: v1(12960,11480) 12925,11515 12925,11830 12945,11850 12945,12170 13025,12250 13025,12275 13015,12285 v1(13015,12299.9)

## Text inside footprints (layer, text, board x,y; h text height)
R316: PIN_NUMBER "1" at 15415.5,12525 h30 r180; PIN_NUMBER "2" at 15160.5,12525 h30 r180; SYMB_DIM "65X125REC" at 15430,12802 h35.9 r180; SYMB_DIM "R2512-65x125" at 15456,12213 h35.9 r180
R317: PIN_NUMBER "2" at 16947,13145 h20; PIN_NUMBER "1" at 16907,13145 h20; ASSEMBLY_TOP "USERPART#" at 16935,12995 h25; ASSEMBLY_TOP "TOLERANCE" at 16935,13045 h25; ASSEMBLY_TOP "0" at 16935,13145 h25; SYMBOL_PART_DIM "0" at 16843,13132 h25; SYMBOL_PART_DIM "0" at 16927,13061 h25; SYMBOL_PART_DIM "C402-35X32" at 16812,13007 h25; SYMBOL_PART_DIM "PAD 35X32 OV" at 16812,12957 h25
R318: PIN_NUMBER "2" at 15415.5,12875 h30; PIN_NUMBER "1" at 15160.5,12875 h30; SYMB_DIM "65X125REC" at 15170,12598 h35.9; SYMB_DIM "R2512-65x125" at 15144,13187 h35.9
R319: PIN_NUMBER "2" at 16947,13095 h20; PIN_NUMBER "1" at 16907,13095 h20; ASSEMBLY_TOP "USERPART#" at 16935,12945 h25; ASSEMBLY_TOP "TOLERANCE" at 16935,12995 h25; ASSEMBLY_TOP "1K" at 16935,13095 h25; SYMBOL_PART_DIM "0" at 16843,13082 h25; SYMBOL_PART_DIM "0" at 16927,13011 h25; SYMBOL_PART_DIM "C402-35X32" at 16812,12957 h25; SYMBOL_PART_DIM "PAD 35X32 OV" at 16812,12907 h25
R320: PIN_NUMBER "2" at 16842,13145 h20; PIN_NUMBER "1" at 16802,13145 h20; ASSEMBLY_TOP "USERPART#" at 16830,12995 h25; ASSEMBLY_TOP "TOLERANCE" at 16830,13045 h25; ASSEMBLY_TOP "NO-POP" at 16830,13145 h25; SYMBOL_PART_DIM "0" at 16738,13132 h25; SYMBOL_PART_DIM "0" at 16822,13061 h25; SYMBOL_PART_DIM "C402-35X32" at 16707,13007 h25; SYMBOL_PART_DIM "PAD 35X32 OV" at 16707,12957 h25
R321: PIN_NUMBER "1" at 16802,13095 h20; PIN_NUMBER "2" at 16842,13095 h20; ASSEMBLY_TOP "USERPART#" at 16830,12945 h25; ASSEMBLY_TOP "TOLERANCE" at 16830,12995 h25; ASSEMBLY_TOP "NO-POP" at 16830,13095 h25; SYMBOL_PART_DIM "0" at 16738,13082 h25; SYMBOL_PART_DIM "0" at 16822,13011 h25; SYMBOL_PART_DIM "C402-35X32" at 16707,12957 h25; SYMBOL_PART_DIM "PAD 35X32 OV" at 16707,12907 h25
R322: PIN_NUMBER "2" at 16852,13140 h20 r270; PIN_NUMBER "1" at 16852,13100 h20 r270; ASSEMBLY_BOTTOM "USERPART#" at 16710,13120 h25 r270; ASSEMBLY_BOTTOM "TOLERANCE" at 16760,13120 h25 r270; ASSEMBLY_BOTTOM "NO-POP" at 16860,13120 h25 r270; SYMBOL_PART_DIM "0" at 16847,13028 h25 r270; SYMBOL_PART_DIM "0" at 16776,13112 h25 r270; SYMBOL_PART_DIM "C402-35X32" at 16722,12997 h25 r270; SYMBOL_PART_DIM "PAD 35X32 OV" at 16672,12997 h25 r270
R323: PIN_NUMBER "2" at 15415.5,13050 h30; PIN_NUMBER "1" at 15160.5,13050 h30; SYMB_DIM "65X125REC" at 15170,12773 h35.9; SYMB_DIM "R2512-65x125" at 15144,13362 h35.9
R324: PIN_NUMBER "2" at 16907,13095 h20; PIN_NUMBER "1" at 16947,13095 h20; ASSEMBLY_BOTTOM "USERPART#" at 16935,12945 h25; ASSEMBLY_BOTTOM "TOLERANCE" at 16935,12995 h25; ASSEMBLY_BOTTOM "NO-POP" at 16935,13095 h25; SYMBOL_PART_DIM "0" at 17027,13082 h25; SYMBOL_PART_DIM "0" at 16943,13011 h25; SYMBOL_PART_DIM "C402-35X32" at 17058,12957 h25; SYMBOL_PART_DIM "PAD 35X32 OV" at 17058,12907 h25
R325: PIN_NUMBER "1" at 17077,13490 h20 r270; PIN_NUMBER "2" at 17077,13450 h20 r270; ASSEMBLY_TOP "USERPART#" at 16935,13470 h25 r270; ASSEMBLY_TOP "TOLERANCE" at 16985,13470 h25 r270; ASSEMBLY_TOP "10K" at 17085,13470 h25 r270; SYMBOL_PART_DIM "0" at 17072,13562 h25 r270; SYMBOL_PART_DIM "0" at 17001,13478 h25 r270; SYMBOL_PART_DIM "C402-35X32" at 16947,13593 h25 r270; SYMBOL_PART_DIM "PAD 35X32 OV" at 16897,13593 h25 r270
R326: PIN_NUMBER "1" at 17052,13615 h20 r270; PIN_NUMBER "2" at 17052,13575 h20 r270; ASSEMBLY_TOP "USERPART#" at 16910,13595 h25 r270; ASSEMBLY_TOP "TOLERANCE" at 16960,13595 h25 r270; ASSEMBLY_TOP "10K" at 17060,13595 h25 r270; SYMBOL_PART_DIM "0" at 17047,13687 h25 r270; SYMBOL_PART_DIM "0" at 16976,13603 h25 r270; SYMBOL_PART_DIM "C402-35X32" at 16922,13718 h25 r270; SYMBOL_PART_DIM "PAD 35X32 OV" at 16872,13718 h25 r270
R327: PIN_NUMBER "2" at 17252,13575 h20 r270; PIN_NUMBER "1" at 17252,13615 h20 r270; ASSEMBLY_TOP "USERPART#" at 17110,13595 h25 r270; ASSEMBLY_TOP "TOLERANCE" at 17160,13595 h25 r270; ASSEMBLY_TOP "2K" at 17260,13595 h25 r270; SYMBOL_PART_DIM "0" at 17247,13687 h25 r270; SYMBOL_PART_DIM "0" at 17176,13603 h25 r270; SYMBOL_PART_DIM "C402-35X32" at 17122,13718 h25 r270; SYMBOL_PART_DIM "PAD 35X32 OV" at 17072,13718 h25 r270
R328: PIN_NUMBER "1" at 17202,13615 h20 r270; PIN_NUMBER "2" at 17202,13575 h20 r270; ASSEMBLY_TOP "USERPART#" at 17060,13595 h25 r270; ASSEMBLY_TOP "TOLERANCE" at 17110,13595 h25 r270; ASSEMBLY_TOP "47K" at 17210,13595 h25 r270; SYMBOL_PART_DIM "0" at 17197,13687 h25 r270; SYMBOL_PART_DIM "0" at 17126,13603 h25 r270; SYMBOL_PART_DIM "C402-35X32" at 17072,13718 h25 r270; SYMBOL_PART_DIM "PAD 35X32 OV" at 17022,13718 h25 r270
R329: PIN_NUMBER "2" at 17152,13575 h20 r270; PIN_NUMBER "1" at 17152,13615 h20 r270; ASSEMBLY_TOP "USERPART#" at 17010,13595 h25 r270; ASSEMBLY_TOP "TOLERANCE" at 17060,13595 h25 r270; ASSEMBLY_TOP "10K" at 17160,13595 h25 r270; SYMBOL_PART_DIM "0" at 17147,13687 h25 r270; SYMBOL_PART_DIM "0" at 17076,13603 h25 r270; SYMBOL_PART_DIM "C402-35X32" at 17022,13718 h25 r270; SYMBOL_PART_DIM "PAD 35X32 OV" at 16972,13718 h25 r270
R330: PIN_NUMBER "1" at 17327,13450 h20 r90; PIN_NUMBER "2" at 17327,13490 h20 r90; ASSEMBLY_TOP "USERPART#" at 17485,13470 h25 r90; ASSEMBLY_TOP "TOLERANCE" at 17435,13470 h25 r90; ASSEMBLY_TOP "NO-POP" at 17335,13470 h25 r90; SYMBOL_PART_DIM "0" at 17348,13378 h25 r90; SYMBOL_PART_DIM "0" at 17419,13462 h25 r90; SYMBOL_PART_DIM "C402-35X32" at 17473,13347 h25 r90; SYMBOL_PART_DIM "PAD 35X32 OV" at 17523,13347 h25 r90
R331: PIN_NUMBER "2" at 17532,13145 h20 r180; PIN_NUMBER "1" at 17572,13145 h20 r180; ASSEMBLY_TOP "USERPART#" at 17560,13295 h25 r180; ASSEMBLY_TOP "TOLERANCE" at 17560,13245 h25 r180; ASSEMBLY_TOP "10K" at 17560,13145 h25 r180; SYMBOL_PART_DIM "0" at 17652,13158 h25 r180; SYMBOL_PART_DIM "0" at 17568,13229 h25 r180; SYMBOL_PART_DIM "C402-35X32" at 17683,13283 h25 r180; SYMBOL_PART_DIM "PAD 35X32 OV" at 17683,13333 h25 r180
R332: PIN_NUMBER "2" at 17532,13095 h20 r180; PIN_NUMBER "1" at 17572,13095 h20 r180; ASSEMBLY_TOP "USERPART#" at 17560,13245 h25 r180; ASSEMBLY_TOP "TOLERANCE" at 17560,13195 h25 r180; ASSEMBLY_TOP "10K" at 17560,13095 h25 r180; SYMBOL_PART_DIM "0" at 17652,13108 h25 r180; SYMBOL_PART_DIM "0" at 17568,13179 h25 r180; SYMBOL_PART_DIM "C402-35X32" at 17683,13233 h25 r180; SYMBOL_PART_DIM "PAD 35X32 OV" at 17683,13283 h25 r180
R333: PIN_NUMBER "1" at 15147,13550 h20; PIN_NUMBER "2" at 15187,13550 h20; ASSEMBLY_TOP "USERPART#" at 15175,13400 h25; ASSEMBLY_TOP "TOLERANCE" at 15175,13450 h25; ASSEMBLY_TOP "0" at 15175,13550 h25; SYMBOL_PART_DIM "0" at 15083,13537 h25; SYMBOL_PART_DIM "0" at 15167,13466 h25; SYMBOL_PART_DIM "C402-35X32" at 15052,13412 h25; SYMBOL_PART_DIM "PAD 35X32 OV" at 15052,13362 h25
R334: PIN_NUMBER "2" at 17617,13525 h20 r90; PIN_NUMBER "1" at 17617,13485 h20 r90; ASSEMBLY_TOP "USERPART#" at 17775,13505 h25 r90; ASSEMBLY_TOP "TOLERANCE" at 17725,13505 h25 r90; ASSEMBLY_TOP "NO-POP" at 17625,13505 h25 r90; SYMBOL_PART_DIM "0" at 17638,13413 h25 r90; SYMBOL_PART_DIM "0" at 17709,13497 h25 r90; SYMBOL_PART_DIM "C402-35X32" at 17763,13382 h25 r90; SYMBOL_PART_DIM "PAD 35X32 OV" at 17813,13382 h25 r90
R335: PIN_NUMBER "1" at 15912,13050 h20 r180; PIN_NUMBER "2" at 15872,13050 h20 r180; ASSEMBLY_TOP "USERPART#" at 15900,13200 h25 r180; ASSEMBLY_TOP "TOLERANCE" at 15900,13150 h25 r180; ASSEMBLY_TOP "10K" at 15900,13050 h25 r180; SYMBOL_PART_DIM "0" at 15992,13063 h25 r180; SYMBOL_PART_DIM "0" at 15908,13134 h25 r180; SYMBOL_PART_DIM "C402-35X32" at 16023,13188 h25 r180; SYMBOL_PART_DIM "PAD 35X32 OV" at 16023,13238 h25 r180
R336: PIN_NUMBER "2" at 17572,13145 h20 r180; PIN_NUMBER "1" at 17532,13145 h20 r180; ASSEMBLY_BOTTOM "USERPART#" at 17560,13295 h25 r180; ASSEMBLY_BOTTOM "TOLERANCE" at 17560,13245 h25 r180; ASSEMBLY_BOTTOM "NO-POP" at 17560,13145 h25 r180; SYMBOL_PART_DIM "0" at 17468,13158 h25 r180; SYMBOL_PART_DIM "0" at 17552,13229 h25 r180; SYMBOL_PART_DIM "C402-35X32" at 17437,13283 h25 r180; SYMBOL_PART_DIM "PAD 35X32 OV" at 17437,13333 h25 r180
R337: PIN_NUMBER "2" at 17572,13095 h20 r180; PIN_NUMBER "1" at 17532,13095 h20 r180; ASSEMBLY_BOTTOM "USERPART#" at 17560,13245 h25 r180; ASSEMBLY_BOTTOM "TOLERANCE" at 17560,13195 h25 r180; ASSEMBLY_BOTTOM "NO-POP" at 17560,13095 h25 r180; SYMBOL_PART_DIM "0" at 17468,13108 h25 r180; SYMBOL_PART_DIM "0" at 17552,13179 h25 r180; SYMBOL_PART_DIM "C402-35X32" at 17437,13233 h25 r180; SYMBOL_PART_DIM "PAD 35X32 OV" at 17437,13283 h25 r180
R338: PIN_NUMBER "2" at 17302,13575 h20 r270; PIN_NUMBER "1" at 17302,13615 h20 r270; ASSEMBLY_TOP "USERPART#" at 17160,13595 h25 r270; ASSEMBLY_TOP "TOLERANCE" at 17210,13595 h25 r270; ASSEMBLY_TOP "10K" at 17310,13595 h25 r270; SYMBOL_PART_DIM "0" at 17297,13687 h25 r270; SYMBOL_PART_DIM "0" at 17226,13603 h25 r270; SYMBOL_PART_DIM "C402-35X32" at 17172,13718 h25 r270; SYMBOL_PART_DIM "PAD 35X32 OV" at 17122,13718 h25 r270
R339: PIN_NUMBER "2" at 17407,13095 h20 r180; PIN_NUMBER "1" at 17447,13095 h20 r180; ASSEMBLY_TOP "USERPART#" at 17435,13245 h25 r180; ASSEMBLY_TOP "TOLERANCE" at 17435,13195 h25 r180; ASSEMBLY_TOP "NO-POP" at 17435,13095 h25 r180; SYMBOL_PART_DIM "0" at 17527,13108 h25 r180; SYMBOL_PART_DIM "0" at 17443,13179 h25 r180; SYMBOL_PART_DIM "C402-35X32" at 17558,13233 h25 r180; SYMBOL_PART_DIM "PAD 35X32 OV" at 17558,13283 h25 r180
R340: PIN_NUMBER "2" at 17407,13145 h20 r180; PIN_NUMBER "1" at 17447,13145 h20 r180; ASSEMBLY_TOP "USERPART#" at 17435,13295 h25 r180; ASSEMBLY_TOP "TOLERANCE" at 17435,13245 h25 r180; ASSEMBLY_TOP "NO-POP" at 17435,13145 h25 r180; SYMBOL_PART_DIM "0" at 17527,13158 h25 r180; SYMBOL_PART_DIM "0" at 17443,13229 h25 r180; SYMBOL_PART_DIM "C402-35X32" at 17558,13283 h25 r180; SYMBOL_PART_DIM "PAD 35X32 OV" at 17558,13333 h25 r180
R341: PIN_NUMBER "2" at 17447,13095 h20 r180; PIN_NUMBER "1" at 17407,13095 h20 r180; ASSEMBLY_BOTTOM "USERPART#" at 17435,13245 h25 r180; ASSEMBLY_BOTTOM "TOLERANCE" at 17435,13195 h25 r180; ASSEMBLY_BOTTOM "1K" at 17435,13095 h25 r180; SYMBOL_PART_DIM "0" at 17343,13108 h25 r180; SYMBOL_PART_DIM "0" at 17427,13179 h25 r180; SYMBOL_PART_DIM "C402-35X32" at 17312,13233 h25 r180; SYMBOL_PART_DIM "PAD 35X32 OV" at 17312,13283 h25 r180
R342: PIN_NUMBER "2" at 17277,13490 h20 r90; PIN_NUMBER "1" at 17277,13450 h20 r90; ASSEMBLY_TOP "USERPART#" at 17435,13470 h25 r90; ASSEMBLY_TOP "TOLERANCE" at 17385,13470 h25 r90; ASSEMBLY_TOP "NO-POP" at 17285,13470 h25 r90; SYMBOL_PART_DIM "0" at 17298,13378 h25 r90; SYMBOL_PART_DIM "0" at 17369,13462 h25 r90; SYMBOL_PART_DIM "C402-35X32" at 17423,13347 h25 r90; SYMBOL_PART_DIM "PAD 35X32 OV" at 17473,13347 h25 r90
R343: PIN_NUMBER "2" at 17431,13212 h20; PIN_NUMBER "1" at 17391,13212 h20; ASSEMBLY_TOP "USERPART#" at 17419,13062 h25; ASSEMBLY_TOP "TOLERANCE" at 17419,13112 h25; ASSEMBLY_TOP "0" at 17419,13212 h25; SYMBOL_PART_DIM "0" at 17327,13199 h25; SYMBOL_PART_DIM "0" at 17411,13128 h25; SYMBOL_PART_DIM "C402-35X32" at 17296,13074 h25; SYMBOL_PART_DIM "PAD 35X32 OV" at 17296,13024 h25
R344: PIN_NUMBER "2" at 17447,13145 h20 r180; PIN_NUMBER "1" at 17407,13145 h20 r180; ASSEMBLY_BOTTOM "USERPART#" at 17435,13295 h25 r180; ASSEMBLY_BOTTOM "TOLERANCE" at 17435,13245 h25 r180; ASSEMBLY_BOTTOM "0" at 17435,13145 h25 r180; SYMBOL_PART_DIM "0" at 17343,13158 h25 r180; SYMBOL_PART_DIM "0" at 17427,13229 h25 r180; SYMBOL_PART_DIM "C402-35X32" at 17312,13283 h25 r180; SYMBOL_PART_DIM "PAD 35X32 OV" at 17312,13333 h25 r180
R345: PIN_NUMBER "2" at 17782,13045 h20 r180; PIN_NUMBER "1" at 17822,13045 h20 r180; ASSEMBLY_TOP "USERPART#" at 17810,13195 h25 r180; ASSEMBLY_TOP "TOLERANCE" at 17810,13145 h25 r180; ASSEMBLY_TOP "33" at 17810,13045 h25 r180; SYMBOL_PART_DIM "0" at 17902,13058 h25 r180; SYMBOL_PART_DIM "0" at 17818,13129 h25 r180; SYMBOL_PART_DIM "C402-35X32" at 17933,13183 h25 r180; SYMBOL_PART_DIM "PAD 35X32 OV" at 17933,13233 h25 r180
R346: PIN_NUMBER "1" at 17432,13770 h20 r180; PIN_NUMBER "2" at 17472,13770 h20 r180; ASSEMBLY_BOTTOM "USERPART#" at 17460,13920 h25 r180; ASSEMBLY_BOTTOM "TOLERANCE" at 17460,13870 h25 r180; ASSEMBLY_BOTTOM "10K" at 17460,13770 h25 r180; SYMBOL_PART_DIM "0" at 17368,13783 h25 r180; SYMBOL_PART_DIM "0" at 17452,13854 h25 r180; SYMBOL_PART_DIM "C402-35X32" at 17337,13908 h25 r180; SYMBOL_PART_DIM "PAD 35X32 OV" at 17337,13958 h25 r180
R347: PIN_NUMBER "2" at 17572,13770 h20 r180; PIN_NUMBER "1" at 17532,13770 h20 r180; ASSEMBLY_BOTTOM "USERPART#" at 17560,13920 h25 r180; ASSEMBLY_BOTTOM "TOLERANCE" at 17560,13870 h25 r180; ASSEMBLY_BOTTOM "0" at 17560,13770 h25 r180; SYMBOL_PART_DIM "0" at 17468,13783 h25 r180; SYMBOL_PART_DIM "0" at 17552,13854 h25 r180; SYMBOL_PART_DIM "C402-35X32" at 17437,13908 h25 r180; SYMBOL_PART_DIM "PAD 35X32 OV" at 17437,13958 h25 r180
R348: PIN_NUMBER "1" at 17532,13720 h20 r180; PIN_NUMBER "2" at 17572,13720 h20 r180; ASSEMBLY_BOTTOM "USERPART#" at 17560,13870 h25 r180; ASSEMBLY_BOTTOM "TOLERANCE" at 17560,13820 h25 r180; ASSEMBLY_BOTTOM "10K 1%" at 17560,13720 h25 r180; SYMBOL_PART_DIM "0" at 17468,13733 h25 r180; SYMBOL_PART_DIM "0" at 17552,13804 h25 r180; SYMBOL_PART_DIM "C402-35X32" at 17437,13858 h25 r180; SYMBOL_PART_DIM "PAD 35X32 OV" at 17437,13908 h25 r180
R349: PIN_NUMBER "1" at 16822,13695 h20 r90; PIN_NUMBER "2" at 16822,13655 h20 r90; ASSEMBLY_BOTTOM "USERPART#" at 16980,13675 h25 r90; ASSEMBLY_BOTTOM "TOLERANCE" at 16930,13675 h25 r90; ASSEMBLY_BOTTOM "10K" at 16830,13675 h25 r90; SYMBOL_PART_DIM "0" at 16843,13767 h25 r90; SYMBOL_PART_DIM "0" at 16914,13683 h25 r90; SYMBOL_PART_DIM "C402-35X32" at 16968,13798 h25 r90; SYMBOL_PART_DIM "PAD 35X32 OV" at 17018,13798 h25 r90
R350: PIN_NUMBER "2" at 16754,13495 h40; PIN_NUMBER "1" at 16694,13495 h40; ASSEMBLY_TOP "4.99K" at 16715,13480 h40; ASSEMBLY_TOP "X" at 16745,13480 h40; ASSEMBLY_TOP "X" at 16780,13480 h40; SYMB_DIM "PAD 35X45OV" at 16925,13570 h40; SYMB_DIM "SM  43X53OV" at 16925,13510 h40; SYMB_DIM "SP  35X45OV" at 16925,13440 h40; SYMB_DIM "R603-35X45" at 16530,13685 h40; SYMB_DIM "0" at 16720,13355 h40; SYMB_DIM "0" at 16595,13475 h40
R351: PIN_NUMBER "1" at 16722,13745 h20 r90; PIN_NUMBER "2" at 16722,13705 h20 r90; ASSEMBLY_BOTTOM "USERPART#" at 16880,13725 h25 r90; ASSEMBLY_BOTTOM "TOLERANCE" at 16830,13725 h25 r90; ASSEMBLY_BOTTOM "10K 1%" at 16730,13725 h25 r90; SYMBOL_PART_DIM "0" at 16743,13817 h25 r90; SYMBOL_PART_DIM "0" at 16814,13733 h25 r90; SYMBOL_PART_DIM "C402-35X32" at 16868,13848 h25 r90; SYMBOL_PART_DIM "PAD 35X32 OV" at 16918,13848 h25 r90
R352: PIN_NUMBER "2" at 15792,12825 h20 r270; PIN_NUMBER "1" at 15792,12865 h20 r270; ASSEMBLY_TOP "USERPART#" at 15650,12845 h25 r270; ASSEMBLY_TOP "TOLERANCE" at 15700,12845 h25 r270; ASSEMBLY_TOP "33" at 15800,12845 h25 r270; SYMBOL_PART_DIM "0" at 15787,12937 h25 r270; SYMBOL_PART_DIM "0" at 15716,12853 h25 r270; SYMBOL_PART_DIM "C402-35X32" at 15662,12968 h25 r270; SYMBOL_PART_DIM "PAD 35X32 OV" at 15612,12968 h25 r270
R353: PIN_NUMBER "1" at 17657,13620 h20 r180; PIN_NUMBER "2" at 17697,13620 h20 r180; ASSEMBLY_BOTTOM "USERPART#" at 17685,13770 h25 r180; ASSEMBLY_BOTTOM "TOLERANCE" at 17685,13720 h25 r180; ASSEMBLY_BOTTOM "10K" at 17685,13620 h25 r180; SYMBOL_PART_DIM "0" at 17593,13633 h25 r180; SYMBOL_PART_DIM "0" at 17677,13704 h25 r180; SYMBOL_PART_DIM "C402-35X32" at 17562,13758 h25 r180; SYMBOL_PART_DIM "PAD 35X32 OV" at 17562,13808 h25 r180
R354: PIN_NUMBER "2" at 15792,12825 h20 r90; PIN_NUMBER "1" at 15792,12865 h20 r90; ASSEMBLY_BOTTOM "USERPART#" at 15950,12845 h25 r90; ASSEMBLY_BOTTOM "TOLERANCE" at 15900,12845 h25 r90; ASSEMBLY_BOTTOM "33" at 15800,12845 h25 r90; SYMBOL_PART_DIM "0" at 15813,12937 h25 r90; SYMBOL_PART_DIM "0" at 15884,12853 h25 r90; SYMBOL_PART_DIM "C402-35X32" at 15938,12968 h25 r90; SYMBOL_PART_DIM "PAD 35X32 OV" at 15988,12968 h25 r90